# KiCad board forti HS.kicad_pcb (continued)
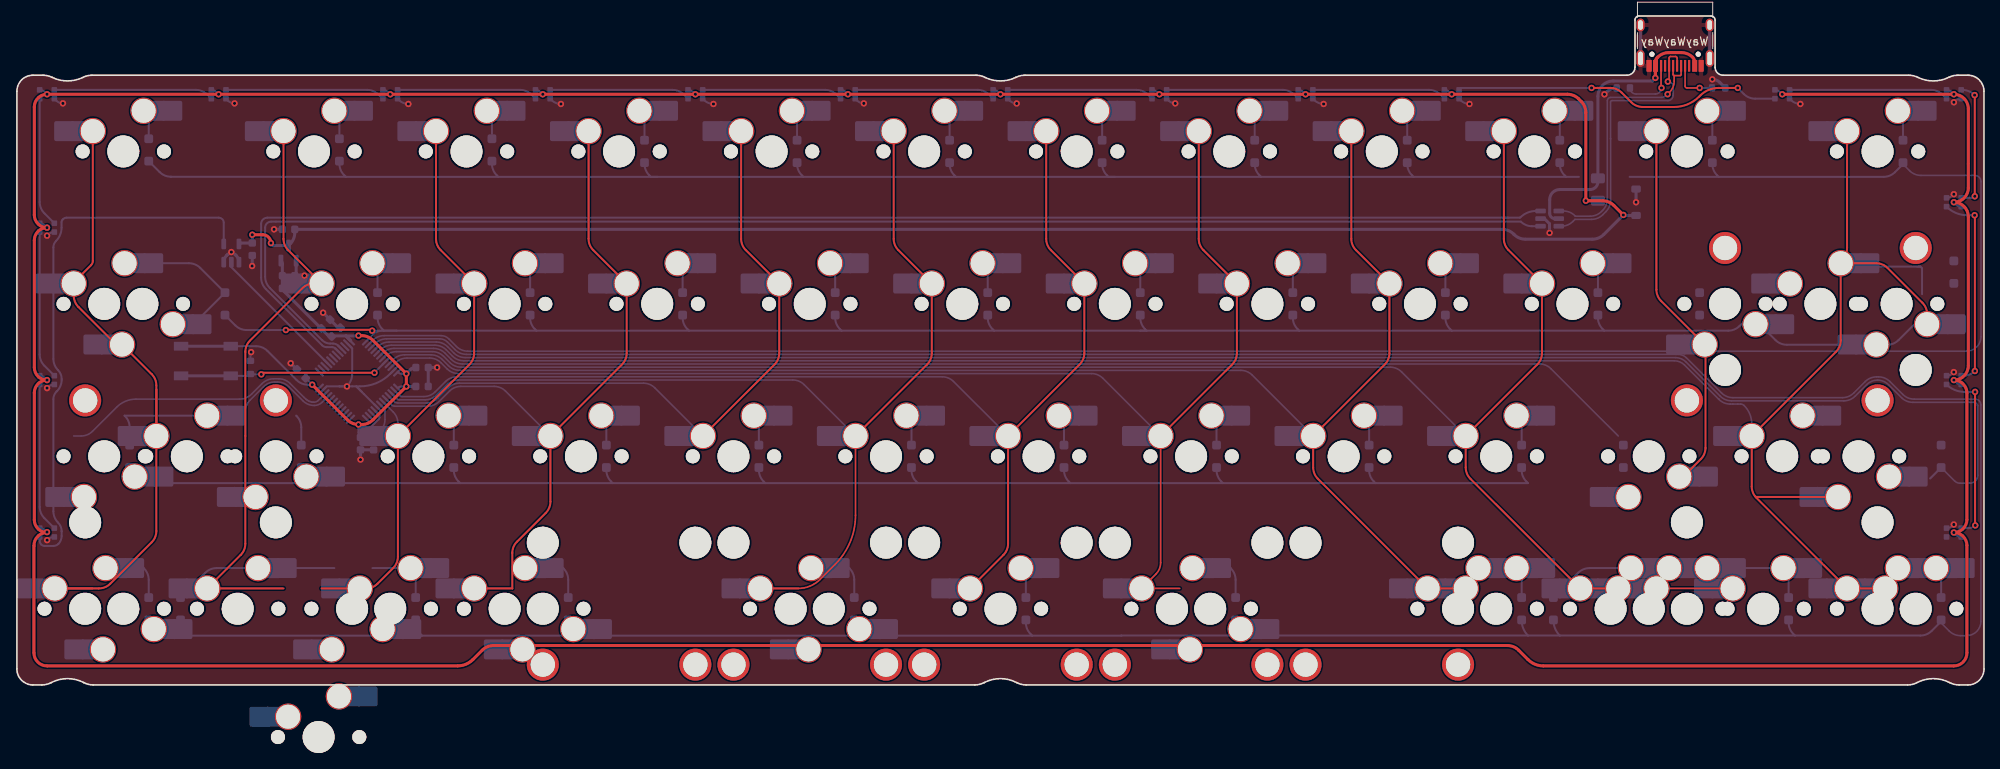
[diagram p0: board, top side]
## Routing (per net, layer and track width the routed paths; a pad name or vN(x,y) marks a point on that pad's centre or on a via; arc(x,y) is an arc through that point)
+3V3: length 73.9
  Top w0.381: v1(42.66,43.66) 43.04,43.66 arc(43.81,43.5) 44.46,43.07 v1(48.64,38.89) v1(48.64,37.31) 44.46,33.13 arc(43.81,32.7) 43.04,32.54 v1(42.66,32.54) arc(41.92,32.69) 41.3,33.11 v1(36.88,37.52)
  Bottom w0.25: U3.24 37.6,37.1 arc(37.33,37.15) 37.1,37.31 v1(36.88,37.52) ; v1(42.66,32.54) 42.66,31.55 arc(42.72,31.22) C8.1 45.19,33.21 arc(45.26,33.32) 45.28,33.45 45.28,33.6 arc(45.26,33.7) 45.21,33.78 U3.9 ; SW2.1 29.88,42.33 arc(30.64,42.18) 31.29,41.75 34.93,38.11 arc(35.58,37.67) 36.34,37.52 v1(36.88,37.52) ; v1(48.64,38.89) 48.04,38.89 arc(47.77,38.95) U3.48 ; v1(36.88,37.52) C5.1 ; v1(48.64,37.31) 48.04,37.31 arc(47.77,37.25) U3.1
  Bottom w0.381: v1(48.64,38.89) 49.22,39.48 arc(49.43,39.62) 49.68,39.67 C7.1 ; SW2.1 SW2.1 ; v1(48.64,37.31) C9.1 ; 41.08,43.62 41.66,43.05 ; 41.08,43.62 41.69,43.02 ; 41.08,43.62 42.62,43.62 v1(42.66,43.66) ; 41.08,43.62 39.47,43.62 arc(39.38,43.6) C6.1 39.29,43.55 arc(39.02,43.61) 38.79,43.76 33.15,49.4 C3.1 33.15,49.56 C2.2 33.15,52.61 arc(33.11,52.84) U2.2
+5V: length 829.7
  Top w0.381: 243.69,65.09 243.69,62.13 arc(243.16,60.85) v1(241.89,60.33) arc(243.16,59.8) 243.69,58.52 243.69,39.91 arc(243.16,38.63) v1(241.89,38.1) arc(243.04,37.62) 243.52,36.47 243.52,20.68 arc(243.04,19.53) v1(241.89,19.05) arc(243.04,18.57) 243.52,17.42 243.52,4.01 arc(243.04,2.86) 241.89,2.38 190.62,2.38 arc(189.59,2.59) 188.71,3.18 187.54,4.34 arc(186.89,4.78) 186.12,4.93 59.53,4.93 arc(58.76,4.78) 58.11,4.34 56.94,3.18 arc(56.06,2.59) 55.03,2.38 3.76,2.38 arc(2.61,2.86) 2.13,4.01 2.13,17.42 arc(2.61,18.57) 3.76,19.05 arc(2.64,19.51) 2.18,20.64 2.18,36.51 arc(2.64,37.64) v1(3.76,38.1) arc(2.64,38.56) 2.18,39.69 2.18,55.56 arc(2.64,56.69) v1(3.76,57.15) arc(2.64,57.61) 2.18,58.74 2.18,72.23 arc(2.64,73.35) v1(3.76,73.82) v1(179.18,73.82) 193.63,73.82 arc(194.4,73.67) 195.05,73.23 195.34,72.94 arc(195.78,72.29) 195.93,71.52 v1(195.93,60.51) 198.01,60.51 arc(198.77,60.36) 199.42,59.93 v1(200.61,58.74) ; 243.69,65.15 243.69,72.01 arc(243.16,73.29) v1(241.89,73.82) v1(220.46,73.82) ; v1(29.4,56.27) 30.68,56.27 arc(31.42,55.96) v1(31.72,55.22)
  Bottom w0.25: v1(103.78,73.82) 103.48,74.11 arc(103.2,74.3) LED30.4 ; v1(241.89,38.1) 242.18,37.81 arc(242.47,37.62) LED16.4 ; v1(3.76,19.1) 3.55,19.31 arc(3.23,19.52) LED3.4 ; v1(241.89,60.33) 242.18,60.03 arc(242.47,59.84) LED17.4 ; v1(160.93,73.82) 160.63,74.11 arc(160.35,74.3) LED21.4 ; v1(220.46,73.82) 220.16,74.11 arc(219.88,74.3) LED19.4 ; v1(3.76,73.82) 3.47,74.11 arc(3.18,74.3) LED27.4 ; v1(122.83,73.82) 122.53,74.11 arc(122.25,74.3) LED23.4 ; v1(84.73,73.82) 84.43,74.11 arc(84.15,74.3) LED24.4 ; v1(241.89,73.82) 241.6,74.11 arc(241.31,74.3) LED18.4 ; v1(142.67,73.82) 142.38,74.11 arc(142.09,74.3) LED22.4 ; v1(241.89,19.05) 242.18,18.76 arc(242.47,18.57) LED15.4 ; v1(179.18,73.82) 178.89,74.11 arc(178.6,74.3) LED20.4 ; v1(65.68,73.82) 65.38,74.11 arc(65.1,74.3) LED25.4 ; v1(3.76,38.1) 3.47,38.39 arc(3.18,38.58) LED2.4 ; v1(3.76,57.15) 3.47,57.44 arc(3.18,57.63) LED1.4 ; v1(46.63,73.82) 46.33,74.11 arc(46.05,74.3) LED26.4 ; v1(25.19,73.82) 24.9,74.11 arc(24.62,74.3) LED31.4
  Bottom w0.381: D_PWR1.1 200.68,58.68 v1(200.61,58.74) 198.17,56.29 arc(197.52,55.86) 196.75,55.71 188.38,55.71 arc(187.62,55.86) 186.97,56.29 186.91,56.35 arc(186.26,56.79) 185.5,56.94 C1.2 34.7,56.52 arc(34.55,55.75) 34.11,55.1 U2.3 32.03,54.91 arc(31.82,55) v1(31.72,55.22) ; F1.2 v1(195.93,60.51) ; v1(29.4,56.27) arc(29.39,56.27) 29.39,56.27 C12.2 28,55.23 arc(27.86,55.2) 27.73,55.11
GND: length 83.2
  Bottom w0.2: U3.47 46.65,38.91
  Bottom w0.25: 42.38,37.32 42.52,37.17 ; 42.38,37.32 42.84,37.32 arc(44.88,37.72) 46.62,38.88 U3.47 ; 42.38,37.32 40.28,37.32 ; 42.52,37.17 U3.8 ; 42.52,37.17 43.1,36.6 43.1,36.59 ; U3.23 38.69,37.32 40.28,37.32 ; 40.28,37.32 40.28,37.31 v1(41.21,37.31) arc(41.7,38.04) 41.87,38.9 41.87,42.07 U3.35 ; v1(29.25,41.6) 29.16,41.51 R6.2 ; v1(241.89,72.82) 242.02,72.94 arc(242.38,73.18) LED18.2 ; v1(241.88,20.05) 241.76,19.93 arc(241.4,19.68) LED15.2 ; v1(241.88,61.33) 241.76,61.2 arc(241.4,60.96) LED17.2 ; LED27.2 4.92,73.02 arc(5.3,72.77) v1(5.75,72.68) ; LED23.2 123.98,73.03 arc(124.38,72.76) v1(124.85,72.67) ; LED31.2 26.36,73.02 arc(26.73,72.77) v1(27.18,72.68) ; LED25.2 66.77,73.09 arc(67.3,72.73) v1(67.93,72.61) ; v1(241.88,39.1) 241.76,38.98 arc(241.4,38.73) LED16.2 ; LED30.2 104.94,73.02 arc(105.32,72.77) v1(105.76,72.68) ; LED20.2 180.31,73.06 arc(180.81,72.72) v1(181.4,72.6) ; LED21.2 162.02,73.09 arc(162.55,72.73) v1(163.18,72.61) ; LED26.2 47.72,73.09 arc(48.25,72.73) v1(48.88,72.61) ; v1(3.78,18.1) 3.83,18.15 arc(4.22,18.41) LED3.2 ; LED24.2 85.82,73.09 arc(86.35,72.73) v1(86.98,72.61) ; v1(3.77,56.15) 3.89,56.27 arc(4.25,56.52) LED1.2 ; LED22.2 143.83,73.02 arc(144.21,72.77) v1(144.66,72.68) ; v1(3.77,37.1) 3.89,37.22 arc(4.25,37.47) LED2.2 ; LED19.2 221.55,73.09 arc(222.09,72.73) v1(222.72,72.61)
  Bottom w0.381: v1(191.4,56.5) 191.4,57.63 190.75,58.28 U1.2 ; C3.2 34.7,49.56 C2.1 ; J2.S1 J2.S1 ; U2.1 34.88,51.32 C2.1 ; J2.S1 J2.S1 ; C12.1 29.39,52.37 v1(29.38,52.35) ; C2.1 35.9,51.15 v1(35.91,51.16) ; C5.2 34.96,39.44 v1(34.19,40.21) ; v1(32.11,56.94) 32.12,56.94 C1.1 ; v1(42.91,28.16) 42.91,28.16 C8.2 44.53,29.39 C13.2 ; D_PWR1.2 v1(202.2,60.33) ; v1(198.25,73.81) 198.53,74.09 arc(199.11,74.48) R2.2 ; v1(52.48,39.67) 52.47,39.67 C7.2 C9.2 ; 26.78,53.98 v1(26.78,54.1) ; 26.78,53.98 arc(26.51,53.92) 26.29,53.77 26.17,53.65 arc(25.92,53.28) U4.3 ; 26.78,53.98 arc(27.05,53.92) 27.28,53.77 27.39,53.65 arc(27.64,53.28) 27.73,52.84 ; R1.2 212.65,75.3 arc(212.23,75.59) v1(211.73,75.69) ; v1(38.24,46.52) 39.11,45.65 C4.2 39.92,44.85 arc(40.14,44.7) C6.2
VBUS: length 41.2
  Top w0.381: J2.A4 209.53,77.82 arc(209.46,78.15) 209.27,78.44 arc(208.62,78.87) 207.85,79.02 206.3,79.02 arc(205.53,78.87) 204.88,78.44 ; 209.53,77.18 209.53,77.62 ; 204.63,77.62 204.63,75.87 v1(204.61,75.86) 204.61,77.79 arc(204.68,78.14) 204.88,78.44 ; 204.88,78.44 arc(204.69,78.15) 204.63,77.82
  Bottom w0.381: 204.61,75.65 v1(204.61,75.86) 204.23,75.48 199.34,75.48 arc(198,74.92) 197.44,73.57 F1.1 197.44,62.89 arc(197.15,62.2) 196.46,61.91 192.68,61.91 arc(191.78,61.54) 191.42,60.65 191.42,58.94 arc(191.61,58.47) 192.07,58.28 U1.5
/CC1: length 6
  Top w0.2: v1(210.14,74.61) 208.55,74.61 arc(208.39,74.68) 208.33,74.84 J2.A5
  Bottom w0.2: v1(210.14,74.61) R1.1
/CC2: length 7.6
  Top w0.2: v1(205.38,74.61) 205.33,74.66 J2.B5
  Bottom w0.2: v1(205.38,74.61) arc(205.15,74.07) 204.61,73.85 202.2,73.85 arc(201.66,74.07) R2.1
BOOT0: length 26.5
  Top w0.25: v1(44.66,39.02) 30.72,39.02 v1(30.52,38.82)
  Bottom w0.2: 45.17,39.55 44.66,39.04 v1(44.66,39.02)
  Bottom w0.25: v1(30.52,38.82) 29.21,38.82 R6.1 28.93,38.63 SW2.2 ; 45.17,39.55 U3.44
  Bottom w0.381: SW2.2 SW2.2
COL0: length 118.4
  Top w0.25: 7.19,50.39 9.25,52.45 arc(9.42,52.7) 9.48,53 MX1.1 ; 9.48,12.07 MX37.1 10.24,12.07 arc(11,12.22) 11.65,12.65 16.83,17.83 arc(17.26,18.48) 17.42,19.24 MXshift2.25.1 ; MXshift2.25.1 17.42,37.43 arc(17.26,38.2) 16.83,38.84 MX13.2 12.38,42.55 7.68,47.25 arc(7.25,47.89) 7.1,48.66 7.1,50.17 7.1,48.91 ; MXshift2.25.1 17.42,36.94
  Bottom w0.2: U3.22 37.64,35.56 arc(37.39,35.39) 37.1,35.34 37.01,35.34 36.82,35.36 36.62,35.41 36.43,35.49 36.25,35.6 36.08,35.73 35.88,35.92 ; 7.1,31.12 8.03,31.12 arc(8.79,31.27) 9.44,31.7 12.46,34.72 arc(13.57,35.46) 14.88,35.72 27.77,35.72 arc(28.61,35.88) 29.32,36.36 30.63,37.67 arc(31.28,38.11) 32.05,38.26 32.71,38.26 arc(33.47,38.11) 34.12,37.67 35.89,35.91
COL1: length 91.9
  Top w0.25: 33.29,12.07 MX38.1 27.94,16.24 arc(28.38,16.89) 28.53,17.66 28.53,41.63 arc(28.68,42.4) 29.11,43.04 35.65,49.58 arc(36.3,50.01) 37.06,50.17 38.05,50.17 33.88,54.34 arc(33.44,54.99) 33.29,55.76 MX2.1
  Bottom w0.2: 28.53,31.12 28.53,34.17 arc(28.68,34.94) 29.11,35.59 30.8,37.27 arc(31.45,37.71) 32.21,37.86 32.54,37.86 arc(33.31,37.71) 33.96,37.27 35.72,35.51 arc(36.37,35.08) 37.13,34.93 arc(37.67,35.03) 38.12,35.33 U3.21
COL2: length 75.3
  Top w0.25: 38.05,12.07 MX39.1 43.61,12.07 arc(44.38,12.22) 45.03,12.65 46.99,14.62 arc(47.43,15.26) 47.58,16.03 MX27.1 56.52,40.05 arc(56.95,40.7) 57.1,41.47 57.1,50.17 52.93,54.34 arc(52.49,54.99) 52.34,55.76 MX3.1
  Bottom w0.2: MX27.1 47.58,32.7 arc(47.43,33.47) 46.99,34.12 U3.6
COL3: length 93.6
  Top w0.25: MX4.1 71.39,55.76 arc(71.54,54.99) 71.98,54.34 76.15,50.17 76.15,41.47 arc(76,40.7) 75.57,40.05 MX28.1 66.63,22.91 arc(66.48,22.15) 66.04,21.5 62.45,17.91 arc(62.02,17.26) 61.87,16.49 61.87,12.07 MX53.1
  Bottom w0.2: MX28.1 61.01,36.73 arc(60.37,37.16) 59.6,37.31 55.44,37.31 arc(54.68,37.16) 54.03,36.73 52.73,35.42 arc(52.08,34.99) 51.31,34.84 47.13,34.84 arc(46.99,34.87) 46.87,34.95 U3.5
COL4: length 86.8
  Top w0.25: MX5.1 90.44,55.76 arc(90.59,54.99) 91.03,54.34 95.2,50.17 95.2,41.47 arc(95.05,40.7) 94.62,40.05 MX29.1
  Bottom w0.2: MX29.1 79.66,37.13 arc(79.02,37.56) 78.25,37.71 55.28,37.71 arc(54.51,37.56) 53.86,37.13 52.56,35.82 arc(51.91,35.39) 51.15,35.24 47.57,35.24 arc(47.31,35.29) 47.08,35.44 U3.4
COL5: length 132.9
  Top w0.2: MX30.1 104.73,21.21 arc(104.07,17.89) 102.19,15.08 100.29,13.19 arc(99.05,12.36) 97.58,12.07
  Top w0.25: 97.58,12.07 MXsplit2.25(1)1.1 ; MX30.1 113.67,40.05 arc(114.1,40.7) 114.25,41.47 114.25,50.17 110.08,54.34 arc(109.64,54.99) 109.49,55.76 MX6.1
  Bottom w0.2: U3.3 47.49,35.74 arc(47.6,35.67) 47.74,35.64 50.98,35.64 arc(51.75,35.79) 52.39,36.22 53.7,37.53 arc(54.35,37.96) 55.11,38.11 96.9,38.11 arc(97.67,37.96) 98.31,37.53 MX30.1
COL6: length 145.5
  Top w0.25: MX42.1 123.19,16.24 arc(123.63,16.89) 123.78,17.66 MX31.1 132.72,40.05 arc(133.15,40.7) 133.3,41.47 133.3,50.17 129.13,54.34 arc(128.69,54.99) 128.54,55.76 MX7.1
  Bottom w0.2: MX31.1 116.96,37.93 arc(116.32,38.36) 115.55,38.51 54.95,38.51 arc(54.18,38.36) 53.53,37.93 52.23,36.62 arc(51.58,36.19) 50.81,36.04 48.09,36.04 arc(47.92,36.07) 47.78,36.17 47.21,36.74 arc(47.2,36.75) U3.2
COL7: length 168.7
  Top w0.2: MX32.1 142.83,15.27 arc(142.68,14.51) 142.24,13.86 MXsplit2.75(1)1.1 145.21,12.07
  Top w0.25: MX32.1 151.77,40.05 arc(152.2,40.7) 152.35,41.47 152.35,50.17 148.18,54.34 arc(147.74,54.99) 147.59,55.76 MX8.1
  Bottom w0.2: MX32.1 135.61,38.33 arc(134.97,38.76) 134.2,38.91 55.14,38.91 arc(54.38,39.07) 53.73,39.5 52.96,40.27 arc(52.31,40.7) 51.54,40.86 48.72,40.86 arc(47.95,40.7) 47.3,40.27 U3.46
COL8: length 193.2
  Top w0.25: MX54.1 MX43.1 162.46,25.77 arc(162.03,26.42) 161.88,27.18 MX33.1 170.82,40.05 arc(171.25,40.7) 171.4,41.47 171.4,50.17 167.23,54.34 arc(166.79,54.99) 166.64,55.76 MX9.1
  Bottom w0.2: U3.45 46.99,40.67 arc(47.64,41.1) 48.41,41.26 51.71,41.26 arc(52.47,41.1) 53.12,40.67 53.89,39.9 arc(54.54,39.47) 55.31,39.31 152.85,39.31 arc(153.62,39.16) 154.26,38.73 MX33.1
COL9: length 213
  Top w0.25: MX10.1 185.69,55.76 arc(185.84,54.99) 186.28,54.34 190.45,50.17 190.45,41.47 arc(190.3,40.7) 189.87,40.05 MX34.1 180.93,27.18 arc(181.08,26.42) 181.51,25.77 MX44.1 MX50.1
  Bottom w0.2: MX34.1 172.91,39.13 arc(172.27,39.56) 171.5,39.71 55.47,39.71 arc(54.71,39.87) 54.06,40.3 53.29,41.07 arc(52.64,41.5) 51.87,41.66 47.39,41.66 arc(46.63,41.5) 45.98,41.07 U3.43
COL10: length 215.8
  Top w0.2: MX55.1 MX45.1
  Top w0.25: MX35.1 208.1,26.04 210.29,28.23 arc(210.72,28.88) 210.88,29.64 210.88,42.44 MX23.2 205.33,47.99 arc(204.89,48.64) 204.74,49.41 MX11.1
  Bottom w0.2: 199.98,31.12 191.56,39.53 arc(190.92,39.96) 190.15,40.11 55.64,40.11 arc(54.87,40.27) 54.23,40.7 53.45,41.47 arc(52.81,41.9) 52.04,42.06 47.09,42.06 arc(46.32,41.9) 45.67,41.47 U3.42
COL11: length 288.7
  Top w0.25: 227.76,52.71 227.76,43.06 arc(227.61,42.29) 227.17,41.64 MXshift2.75.1 216.65,24.8 arc(216.8,24.03) 217.23,23.39 MX51.1 MX46.1 ; 227.76,52.71 232.19,52.71 arc(232.95,52.55) 233.6,52.12 237.97,47.75 arc(238.4,47.1) 238.55,46.34 MX24.1 ; 227.76,52.71 arc(228.35,53.58) 228.55,54.62 MX12.1 ; MX36.2 217.28,23.5 arc(217.16,23.52) 217.06,23.59
  Bottom w0.2: U3.41 45.37,41.87 arc(46.01,42.3) 46.78,42.46 52.21,42.46 arc(52.97,42.3) 53.62,41.87 54.39,41.1 arc(55.04,40.67) 55.81,40.51 206.96,40.51 arc(207.66,40.37) 208.26,39.98 212.52,35.72 212.55,35.69 arc(213.2,35.25) 213.96,35.1 213.96,35.1 214.29,35.1 214.29,35.1 214.9,35.1 214.9,35.11 215.26,35.11 arc(215.49,35.06) 215.69,34.93 arc(216.4,33.87) 216.65,32.63 MXshift2.75.1
  Bottom w0.25: 237.92,48.84 237.92,52.07 237.7,52.29 ; 237.7,52.29 228.18,52.29 227.76,52.71 ; 237.7,52.29 237.28,52.29
D_N: length 181.9
  Bottom w0.25: 185.53,58.39 187.67,58.39 arc(187.71,58.4) 187.75,58.43 arc(188.64,59.02) 189.69,59.23 U1.3 ; 185.53,58.39 186.29,58.39 ; 185.53,58.39 31.27,58.39 arc(30.73,58.17) 30.5,57.62 30.5,50.9 arc(30.65,50.13) 31.09,49.48 38.11,42.45 arc(38.38,42.28) 38.69,42.22 39.37,42.22 arc(39.58,42.17) 39.77,42.05 U3.32
D_P: length 179.6
  Bottom w0.25: U1.1 189.2,57.33 arc(188.45,57.48) 187.81,57.9 31.75,57.9 arc(31.22,57.68) 31,57.15 31,51.03 arc(31.15,50.27) 31.59,49.62 38.12,43.09 arc(38.58,42.77) 39.13,42.67 39.48,42.67 arc(39.83,42.6) 40.12,42.4 U3.33
D_USB_N: length 33.6
  Top w0.2: 206.96,76.15 206.96,75.47 arc(206.81,74.71) 206.38,74.06 v1(206.14,73.82) ; 206.96,76.15 207.71,76.15 arc(207.79,76.19) 207.83,76.27 J2.B7 ; 206.96,76.15 arc(206.87,76.2) 206.83,76.29 J2.A7
  Bottom w0.2: U1.4 193.15,59.23 arc(193.91,59.08) 194.56,58.65 194.62,58.58 196.47,58.58 arc(197.24,58.74) 197.89,59.17 198.03,59.31 arc(198.46,59.96) 198.61,60.72 198.61,73.01 arc(198.73,73.3) 199.03,73.43 205.38,73.43 arc(205.71,73.49) 206,73.68 v1(206.14,73.82)
D_USB_P: length 35.9
  Top w0.2: J2.A6 207.33,78.35 arc(207.27,78.48) 207.15,78.53 206.5,78.53 arc(206.38,78.48) 206.33,78.35 J2.B6 206.33,75.56 v1(206.17,75.41)
  Bottom w0.2: 206.84,73.68 206.84,74.73 arc(206.64,75.21) v1(206.17,75.41) ; U1.6 192.89,57.33 arc(193.66,57.48) 194.3,57.92 194.57,58.18 196.64,58.18 arc(197.4,58.34) 198.05,58.77 198.44,59.16 arc(198.87,59.81) 199.03,60.57 199.03,68.25 199.01,68.26 199.01,72.85 arc(199.06,72.97) 199.19,73.03 206.17,73.03 arc(206.63,73.22) 206.83,73.68
NRST: length 4.8
  Bottom w0.2: C13.1 45.38,31.76 arc(45.81,32.41) 45.97,33.18 45.97,34.24 arc(45.93,34.42) 45.83,34.58 U3.7
RGB MCU: length 18.1
  Bottom w0.25: U3.28 26.78,52.21 U4.2 26.78,52.39
rgb underglow: length 68.3
  Bottom w0.25: 5.03,36.74 4.95,36.67 arc(4.66,36.23) 4.56,35.72 4.56,21.7 arc(4.71,20.94) 5.14,20.29 arc(5.47,19.8) 5.59,19.21 arc(5.59,19.21) 5.59,19.21 5.59,18.61 arc(5.48,18.08) 5.18,17.63 arc(4.9,17.44) 4.57,17.38 3.45,17.38 arc(3.23,17.42) 3.05,17.54 arc(2.9,17.76) 2.85,18.02 LED3.3 ; U4.4 25.83,57.77 arc(25.65,58.21) 25.21,58.39 6.19,58.39 arc(5.97,58.35) 5.78,58.23 5.69,58.14 arc(5.61,58.01) 5.58,57.86 5.58,57.15 arc(5.4,56.25) 4.89,55.48 arc(4.64,55.12) 4.56,54.69 4.56,40.75 arc(4.71,39.99) 5.14,39.34 arc(5.47,38.85) 5.59,38.26 5.59,38.1 arc(5.44,37.36) 5.02,36.73
ROW0: length 469.7
  Bottom w0.2: U3.38 44.44,43.07 arc(45.09,43.5) 45.86,43.66 52.98,43.66 arc(53.49,43.55) 53.93,43.26 54.89,42.3 arc(55.54,41.87) 56.3,41.71 243.48,41.71 arc(244.75,42.24) 245.28,43.52 245.28,62.91 arc(245.05,63.45) 244.5,63.68 237.77,63.68 arc(237.01,63.83) 236.36,64.27 235.54,65.09 D12.1
  Bottom w0.25: 201.41,63.5 212.52,63.5 ; 212.52,63.5 233.12,63.5 arc(233.89,63.65) 234.54,64.09 235.54,65.09 ; 212.52,63.5 212.31,63.71 arc(211.88,64.36) 211.73,65.12 D11.1 ; 98.22,63.5 117.27,63.5 ; 98.22,63.5 79.96,63.5 ; 98.22,63.5 98.01,63.71 arc(97.58,64.36) 97.43,65.12 D5.1 ; 117.27,63.5 137.11,63.5 ; 117.27,63.5 117.06,63.71 arc(116.63,64.36) 116.48,65.12 D6.1 ; 155.37,63.5 174.42,63.5 ; 155.37,63.5 155.16,63.71 arc(154.73,64.36) 154.58,65.12 D8.1 ; 155.37,63.5 137.11,63.5 ; 174.42,63.5 193.47,63.5 ; 174.42,63.5 174.21,63.71 arc(173.78,64.36) 173.63,65.12 D9.1 ; D3.1 59.33,65.12 arc(59.48,64.36) 59.91,63.71 60.12,63.5 ; D4.1 78.38,65.12 arc(78.53,64.36) 78.96,63.71 79.17,63.5 79.96,63.5 ; 41.07,63.51 19.25,63.51 19.24,63.51 arc(18.48,63.66) 17.83,64.1 D1.1 ; 41.07,63.51 41.08,63.5 60.12,63.5 ; 41.07,63.51 40.86,63.72 arc(40.43,64.37) 40.28,65.13 D2.1 ; 195.06,63.5 193.47,63.5 ; 193.47,63.5 193.26,63.71 arc(192.83,64.36) 192.68,65.12 D10.1 ; 137.11,63.5 136.32,63.5 136.11,63.71 arc(135.68,64.36) 135.53,65.12 D7.1 ; 60.12,63.5 79.96,63.5
ROW1: length 241.1
  Top w0.25: v1(44.36,44.27) 44.26,44.38 33.61,44.38 v1(33.59,44.36)
  Bottom w0.2: U3.37 44.36,43.69 arc(45.01,44.12) 45.77,44.27 45.83,44.27
  Bottom w0.25: 160.13,44.27 179.18,44.27 ; 160.13,44.27 159.92,44.48 arc(159.49,45.13) 159.34,45.9 D20.1 ; 160.13,44.27 140.29,44.27 ; 179.18,44.27 198.23,44.27 ; 179.18,44.27 178.97,44.48 arc(178.54,45.13) 178.39,45.9 D21.1 ; 83.93,44.27 102.98,44.27 ; 83.93,44.27 64.88,44.27 ; 83.93,44.27 83.72,44.48 arc(83.29,45.13) 83.14,45.9 D16.1 ; 102.98,44.27 102.77,44.48 arc(102.34,45.13) 102.19,45.9 D17.1 ; 102.98,44.27 122.03,44.27 ; 198.23,44.27 213.71,44.27 arc(214.47,44.43) 215.12,44.86 216.49,46.23 219.61,43.1 arc(220.26,42.67) 221.03,42.52 233.57,42.52 arc(234.33,42.67) 234.98,43.1 237.92,46.04 ; 198.23,44.27 198.02,44.48 arc(197.59,45.13) 197.44,45.9 D22.1 ; 122.03,44.27 121.82,44.48 arc(121.39,45.13) 121.24,45.9 D18.1 ; 122.03,44.27 140.29,44.27 ; 64.88,44.27 64.67,44.48 arc(64.24,45.13) 64.09,45.9 D15.1 ; 64.88,44.27 47.42,44.27 ; 31.54,44.36 28.69,44.36 arc(27.92,44.51) 27.27,44.94 D13.1 ; 31.54,44.36 v1(33.59,44.36) ; 31.54,44.36 31.45,44.36 ; 140.29,44.27 141.08,44.27 140.87,44.48 arc(140.44,45.13) 140.29,45.9 D19.1 ; 47.42,44.27 v1(44.36,44.27) ; 47.42,44.27 45.83,44.27 45.62,44.48 arc(45.19,45.13) 45.04,45.9 D14.1
ROW2: length 418.8
  Bottom w0.2: U3.40 45.06,42.27 arc(45.71,42.7) 46.47,42.86 52.37,42.86 arc(53.14,42.7) 53.79,42.27 54.56,41.5 arc(55.21,41.07) 55.97,40.91 207.11,40.91 arc(207.83,40.77) 208.44,40.37 212.71,36.09 arc(213.36,35.66) 214.13,35.51 228.15,35.51 arc(228.91,35.66) 229.56,36.09 231.01,37.54 arc(231.63,37.95) 232.36,38.1 ; 238.92,25.8 D36.1 241.98,25.49 arc(242.29,25.29) 242.66,25.21 243.89,25.21 arc(244.58,25.5) 244.87,26.19 244.87,34.9 244.85,34.92 arc(244.73,35.2) 244.45,35.32 236.77,35.32 arc(236,35.47) 235.35,35.9 233.74,37.51 arc(233.09,37.95) 232.33,38.1
  Bottom w0.25: 93.46,25.22 112.51,25.22 ; 93.46,25.22 74.41,25.22 ; 93.46,25.22 93.25,25.43 arc(92.81,26.08) 92.66,26.85 D29.1 ; 112.51,25.22 131.56,25.22 ; 112.51,25.22 112.3,25.43 arc(111.86,26.08) 111.71,26.85 D30.1 ; D28.1 73.61,26.85 arc(73.76,26.08) 74.2,25.43 74.41,25.22 ; 36.31,25.22 55.36,25.22 ; 36.31,25.22 16.67,25.22 arc(15.91,25.38) 15.26,25.81 14.08,26.99 ; 36.31,25.22 36.1,25.43 arc(35.66,26.08) 35.51,26.85 D26.1 ; 55.36,25.22 74.41,25.22 ; 55.36,25.22 55.15,25.43 arc(54.71,26.08) 54.56,26.85 D27.1 ; 150.61,25.22 169.66,25.22 ; 150.61,25.22 131.56,25.22 ; 150.61,25.22 150.4,25.43 arc(149.96,26.08) 149.81,26.85 D32.1 ; 169.66,25.22 169.45,25.43 arc(169.01,26.08) 168.86,26.85 D33.1 ; 169.66,25.22 188.71,25.22 188.5,25.43 arc(188.06,26.08) 187.91,26.85 D34.1 ; 238.94,25.81 D36.1 ; 131.56,25.22 131.35,25.43 arc(130.91,26.08) 130.76,26.85 D31.1
ROW3: length 485
  Bottom w0.2: U3.39 44.75,42.67 arc(45.4,43.1) 46.17,43.26 52.8,43.26 arc(53.32,43.15) 53.76,42.86 54.72,41.9 arc(55.37,41.47) 56.14,41.31 207.11,41.31 207.26,41.31 207.46,41.31 arc(208.01,41.2) 208.48,40.89 212.88,36.49 arc(213.53,36.06) 214.29,35.91 227.98,35.91 arc(228.75,36.06) 229.39,36.49 230.82,37.91 arc(231.47,38.35) 232.23,38.5 232.49,38.5 arc(233.26,38.35) 233.91,37.91 235.52,36.3 arc(236.17,35.87) 236.93,35.72 244.55,35.72 arc(245.06,35.51) 245.27,35 245.27,7.96 arc(244.74,6.69) 243.48,6.16 242.72,6.16 arc(241.95,6.31) 241.3,6.75 240.3,7.75 240.3,7.94
  Bottom w0.25: D37.1 17.84,6.75 arc(18.49,6.31) 19.25,6.16 21.23,6.16 ; 50.59,6.16 50.39,6.37 arc(49.95,7.02) 49.8,7.78 D39.1 ; 50.59,6.16 21.23,6.16 ; 50.59,6.16 69.64,6.16 ; 192.68,6.17 222.04,6.17 ; 192.68,6.17 188.71,6.17 ; 192.68,6.17 arc(192.09,7.05) 191.88,8.09 D44.1 ; 222.04,6.17 221.84,6.38 arc(221.4,7.03) 221.25,7.8 D45.1 ; 222.04,6.17 237.71,6.17 arc(238.47,6.33) 239.12,6.76 240.3,7.94 ; 126.79,6.16 126.59,6.37 arc(126.15,7.02) 126,7.78 D42.1 ; 126.79,6.16 105.36,6.16 ; 126.79,6.16 137.91,6.16 137.92,6.17 152.99,6.17 ; 105.36,6.16 69.64,6.16 ; 105.36,6.16 105.15,6.37 arc(104.72,7.02) 104.57,7.78 D40.1 ; 152.99,6.17 188.71,6.17 ; 152.99,6.17 152.78,6.38 arc(152.35,7.03) 152.19,7.8 D47.1 ; 21.23,6.16 arc(20.64,7.04) 20.43,8.08 D38.1 ; 188.71,6.17 arc(188.12,7.05) 187.91,8.09 D43.1 ; D41.1 68.85,7.78 arc(69,7.02) 69.44,6.37 69.64,6.16
Net-(D1-A): length 3.7
  Bottom w0.25: D1.2 16.46,70.22 arc(16.3,71.05) MX1.2
Net-(D2-A): length 3.1
  Bottom w0.25: 40.28,68.87 40.28,70.29 arc(40.12,71.06) 39.69,71.71 MX2.2
Net-(D3-A): length 3.1
  Bottom w0.25: MX3.2 58.74,71.71 arc(59.17,71.06) 59.33,70.29 59.33,68.87
Net-(D4-A): length 3.3
  Bottom w0.25: MX4.2 77.79,71.71 arc(78.22,71.06) 78.38,70.29 78.38,68.68
Net-(D5-A): length 3.3
  Bottom w0.25: MX5.2 96.84,71.71 arc(97.27,71.06) 97.43,70.29 97.43,68.68
Net-(D6-A): length 3.3
  Bottom w0.25: MX6.2 115.89,71.71 arc(116.32,71.06) 116.48,70.29 116.48,68.68
Net-(D7-A): length 3.3
  Bottom w0.25: 135.53,68.68 135.53,70.29 arc(135.37,71.06) 134.94,71.71 MX7.2
Net-(D8-A): length 3.3
  Bottom w0.25: 154.58,68.68 154.58,70.29 arc(154.42,71.06) 153.99,71.71 MX8.2
Net-(D9-A): length 3.3
  Bottom w0.25: 173.63,68.68 173.63,70.29 arc(173.47,71.06) 173.04,71.71 MX9.2
Net-(D10-A): length 3.3
  Bottom w0.25: MX10.2 192.09,71.71 arc(192.52,71.06) 192.68,70.29 192.68,68.68
Net-(D11-A): length 3.3
  Bottom w0.25: 211.73,68.68 211.73,70.29 arc(211.57,71.06) 211.14,71.71 MX11.2
Net-(D12-A): length 3.3
  Bottom w0.25: 235.54,68.68 235.54,70.29 arc(235.39,71.06) 234.95,71.71 MX12.2
Net-(D13-A): length 22
  Bottom w0.25: 13.45,52.71 21.48,52.71 arc(22.24,52.55) 22.89,52.12 25.99,49.03 22.63,45.67 arc(21.98,45.24) 21.22,45.09 MX13.1
Net-(D14-A): length 3.9
  Bottom w0.25: 44.4,52.71 44.45,52.66 arc(44.89,52.01) 45.04,51.24 45.04,49.03
Net-(D15-A): length 3.9
  Bottom w0.25: 64.09,49.03 64.09,51.24 arc(63.94,52.01) 63.5,52.66 63.45,52.71
Net-(D16-A): length 3.9
  Bottom w0.25: 82.5,52.71 82.55,52.66 arc(82.99,52.01) 83.14,51.24 83.14,49.03
Net-(D17-A): length 3.9
  Bottom w0.25: 101.55,52.71 101.6,52.66 arc(102.04,52.01) 102.19,51.24 102.19,49.03
Net-(D18-A): length 3.9
  Bottom w0.25: 120.6,52.71 120.65,52.66 arc(121.09,52.01) 121.24,51.24 121.24,49.03
Net-(D19-A): length 3.9
  Bottom w0.25: 140.29,49.03 140.29,51.24 arc(140.14,52.01) 139.7,52.66 139.65,52.71
Net-(D20-A): length 3.9
  Bottom w0.25: 159.34,49.03 159.34,51.24 arc(159.19,52.01) 158.75,52.66 158.7,52.71
Net-(D21-A): length 3.9
  Bottom w0.25: 178.39,49.03 178.39,51.24 arc(178.24,52.01) 177.8,52.66 177.75,52.71
Net-(D22-A): length 3.9
  Bottom w0.25: 196.8,52.71 196.85,52.66 arc(197.29,52.01) 197.44,51.24 197.44,49.03
Net-(D25-A): length 14.2
  Bottom w0.25: D25.2 14.08,32.19 arc(13.93,32.96) 13.5,33.61 13.45,33.66 MXshift2.25.2
Net-(D26-A): length 3.9
  Bottom w0.25: D26.2 35.51,32.19 arc(35.36,32.96) 34.93,33.61 34.88,33.66
Net-(D27-A): length 3.9
  Bottom w0.25: D27.2 54.56,32.19 arc(54.41,32.96) 53.98,33.61 MX27.2
Net-(D28-A): length 3.9
  Bottom w0.25: MX28.2 73.03,33.61 arc(73.46,32.96) 73.61,32.19 D28.2
Net-(D29-A): length 3.9
  Bottom w0.25: MX29.2 92.08,33.61 arc(92.51,32.96) 92.66,32.19 D29.2
Net-(D30-A): length 3.9
  Bottom w0.25: MX30.2 111.13,33.61 arc(111.56,32.96) 111.71,32.19 D30.2
Net-(D31-A): length 3.9
  Bottom w0.25: D31.2 130.76,32.19 arc(130.61,32.96) 130.18,33.61 MX31.2
Net-(D32-A): length 3.9
  Bottom w0.25: MX32.2 149.23,33.61 arc(149.66,32.96) 149.81,32.19 D32.2
Net-(D33-A): length 3.9
  Bottom w0.25: D33.2 168.86,32.19 arc(168.71,32.96) 168.28,33.61 MX33.2
Net-(D34-A): length 3.9
  Bottom w0.25: D34.2 187.91,32.19 arc(187.76,32.96) 187.33,33.61 MX34.2
Net-(D37-A): length 8.6
  Bottom w0.25: MX37.2 15.83,14.61 15.88,14.56 arc(16.31,13.91) 16.46,13.14 D37.2
Net-(D38-A): length 20.6
  Bottom w0.25: D38.2 23.53,14.02 arc(24.17,14.45) 24.94,14.61 MX38.2 39.64,14.61
Net-(D39-A): length 8.6
  Bottom w0.25: 44.4,14.61 MX39.2 49.21,14.56 arc(49.65,13.91) 49.8,13.14 D39.2
Net-(D40-A): length 8.6
  Bottom w0.25: 99.17,14.61 103.93,14.61 103.98,14.56 arc(104.42,13.91) 104.57,13.14 D40.2
Net-(D41-A): length 8.6
  Bottom w0.25: D41.2 68.85,13.14 arc(68.7,13.91) 68.26,14.56 68.22,14.61 MX53.2
Net-(D42-A): length 3.9
  Bottom w0.25: MX42.2 125.41,14.56 arc(125.85,13.91) 126,13.14 D42.2
Net-(D43-A): length 8.6
  Bottom w0.25: MX43.2 MX54.2 arc(187.75,13.9) 187.91,13.07 D43.2
Net-(D44-A): length 15.9
  Bottom w0.25: MX50.2 MX44.2 196.39,14.61 arc(195.62,14.45) 194.98,14.02 D44.2
Net-(D45-A): length 13.4
  Bottom w0.25: D45.2 221.25,13.14 arc(221.1,13.91) 220.66,14.56 MX45.2 MX55.2
Net-(D46-A): length 8.6
  Bottom w0.25: D46.2 240.3,13.14 arc(240.15,13.91) 239.71,14.56 MX46.2 MX51.2
Net-(D47-A): length 8.6
  Bottom w0.25: D47.2 152.19,13.14 arc(152.04,13.91) 151.61,14.56 151.56,14.61 MXsplit2.75(1)1.2
Net-(LED1-DIN): length 18.6
  Bottom w0.25: LED2.1 3.43,39.89 arc(3,40.54) 2.85,41.31 LED1.3
Net-(LED1-DOUT): length 16.2
  Bottom w0.25: LED27.3 2.85,60.36 arc(3,59.59) 3.43,58.94 LED1.1
Net-(LED2-DIN): length 18.6
  Bottom w0.25: LED2.3 2.85,22.26 arc(3,21.49) 3.43,20.84 LED3.1
Net-(LED15-DIN): length 22.4
  Top w0.25: v1(244.54,36.63) 244.54,20 arc(244.54,19.97) v1(244.56,19.94)
  Bottom w0.25: v1(244.54,36.63) 243.19,36.63 arc(241.99,36.87) LED16.1 ; LED15.3 243.74,19.6 arc(244.18,19.69) v1(244.56,19.94)
Net-(LED16-DIN): length 25.1
  Top w0.25: v1(244.51,39.23) 244.51,58.62 arc(244.5,58.67) v1(244.48,58.7)
  Bottom w0.25: LED16.3 243.1,38.65 arc(243.86,38.8) v1(244.51,39.23) ; v1(244.48,58.7) 243.56,58.7 arc(242.16,58.98) LED17.1
Net-(LED17-DIN): length 16.3
  Top w0.25: v1(244.5,61.07) 244.5,73.67 arc(244.49,73.69) v1(244.48,73.72)
  Bottom w0.25: LED18.1 242.9,74.37 arc(243.76,74.2) v1(244.48,73.72) ; LED17.3 244.03,60.88 arc(244.28,60.93) v1(244.5,61.07)
Net-(LED18-DIN): length 20
  Bottom w0.25: LED19.1 239.04,74.37 arc(239.81,74.22) 240.46,73.78 LED18.3
Net-(LED19-DIN): length 43.1
  Top w0.25: 199.03,74.61 197.4,74.61 arc(197.39,74.61) 197.39,74.62 197.39,74.61 ; v1(196.64,74.61) 198.99,74.61 arc(199.76,74.46) 200.4,74.03 201.61,72.82 arc(202.26,72.38) 203.03,72.23 206.96,72.23 arc(208.64,72.57) 210.07,73.52 210.2,73.65 arc(211.27,74.36) 212.52,74.61 v1(214.9,74.61)
  Bottom w0.25: v1(196.64,74.61) 180.34,74.61 LED20.1 ; LED19.3 217.07,73.27 arc(216.31,73.42) 215.66,73.85 v1(214.9,74.61)
Net-(LED20-DIN): length 16.8
  Bottom w0.25: LED21.1 176.34,74.37 arc(177.1,74.22) 177.75,73.78 LED20.3
Net-(LED21-DIN): length 16.8
  Bottom w0.25: LED21.3 159.5,73.78 arc(158.85,74.22) 158.08,74.37 LED22.1
Net-(LED22-DIN): length 18.4
  Bottom w0.25: LED22.3 141.24,73.78 arc(140.59,74.22) 139.83,74.37 LED23.1
Net-(LED23-DIN): length 17.6
  Bottom w0.25: LED30.1 119.98,74.37 arc(120.75,74.22) 121.4,73.78 LED23.3
Net-(LED24-DIN): length 17.6
  Bottom w0.25: LED24.3 83.3,73.78 arc(82.65,74.22) 81.88,74.37 LED25.1
Net-(LED24-DOUT): length 17.6
  Bottom w0.25: LED24.1 100.93,74.37 arc(101.7,74.22) 102.35,73.78 102.86,73.27 LED30.3
Net-(LED25-DIN): length 17.6
  Bottom w0.25: LED25.3 64.25,73.78 arc(63.6,74.22) 62.83,74.37 LED26.1
Net-(LED26-DIN): length 20
  Bottom w0.25: LED31.1 43.74,74.37 arc(44.51,74.22) 45.16,73.78 45.67,73.27 LED26.3
Net-(LED27-DOUT): length 20
  Bottom w0.25: LED27.1 22.35,74.37 arc(23.12,74.22) 23.76,73.78 LED31.3

## Copper pours and planes (outline as drawn; the poured copper is in the pictures)
GND on Top, Bottom: -7.35,87.31 249.03,87.31 252.21,-7.94 -4.17,-7.94

## Text on the board
B.Mask: design by xonuss & xezioh | pcb by calvin0563
B.Silkscreen: 1 | stepped | 1.25 | 1.5 | (1.5) | 1.75 | 2.25 | 2.75 | 7 | ISO
User.Comments: centre
F.Silkscreen: WayWayWay
